# KiCad board owl-driver-board-16.kicad_pcb
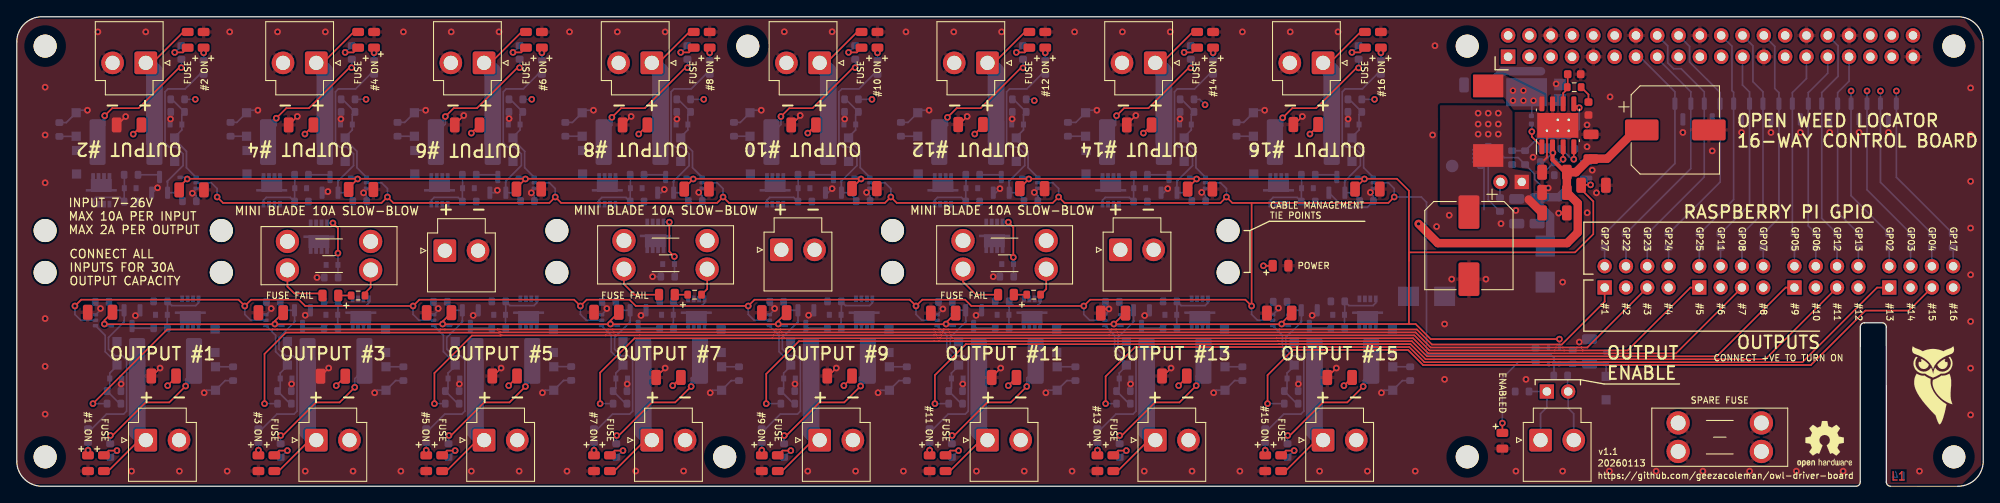
[diagram p0: board, top side]
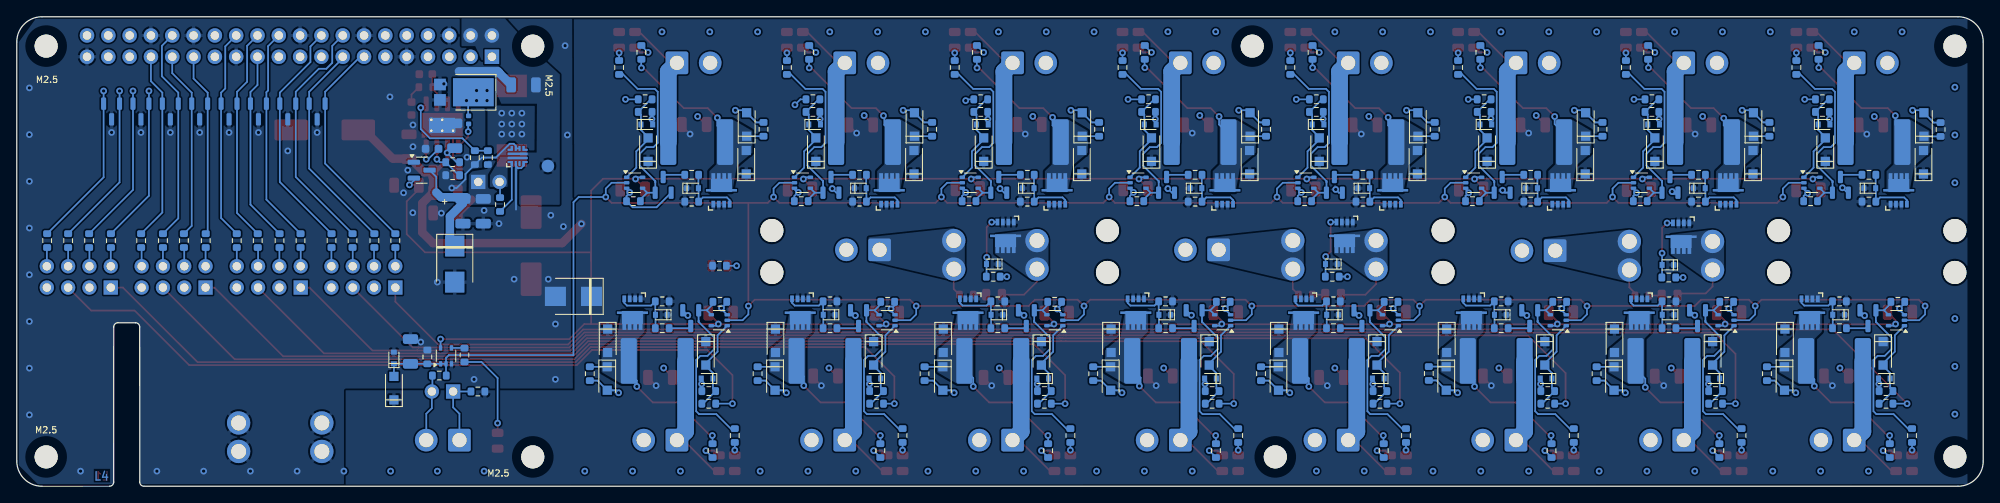
[diagram p1: board, bottom side, seen from below]

Outline 234.38 x 56 mm; copper layers: Top, In1.Cu, In2.Cu, Bottom. Coordinates in mm from the lower left corner of the outline.
Outline path: 0,53 0,3 arc(0.88,0.88) 3,0 219.23,0 arc(219.58,0.15) 219.73,0.5 219.73,19 arc(219.88,19.35) 220.23,19.5 222.33,19.5 arc(222.68,19.35) 222.83,19 222.83,0.5 arc(222.98,0.15) 223.33,0 231.38,0 arc(233.5,0.88) 234.38,3 234.38,53 arc(233.5,55.12) 231.38,56 3,56 arc(0.88,55.12) 0,53
Stack: Top 0.035mm / dielectric 0.1mm FR4 er 4.5 / In1.Cu 0.035mm / dielectric 1.24mm FR4 er 4.5 / In2.Cu 0.035mm / dielectric 0.1mm FR4 er 4.5 / Bottom 0.035mm

## Placement (name value [footprint] x y rotation side)
C1  10uF  [C_1206_3216Metric_nosilk]  157.68 12.98 180 top
C2  10uF  [C_1206_3216Metric_nosilk]  13.38 43.1 180 top
C3  10uF  [C_1206_3216Metric_nosilk]  117.68 12.98 180 top
C4  10uF  [C_1206_3216Metric_nosilk]  37.68 13.12 180 top
C5  10uF  [C_1206_3216Metric_nosilk]  187.63 40.5 90 top
C6  10uF  [C_1206_3216Metric_nosilk]  183.28 37.45 180 top
C7  10uF  [C_1206_3216Metric_nosilk]  33.88 43.1 180 top
C8  220uF 50V  [CP_Elec_10x10]  197.68 42.5 0 top
C9  10uF  [C_1206_3216Metric_nosilk]  181.2 32.8 270 bottom
C10  10uF  [C_1206_3216Metric_nosilk]  173.98 47.88 0 bottom
C11  10uF  [C_1206_3216Metric_nosilk]  53.68 43.1 180 top
C12  10uF  [C_1206_3216Metric_nosilk]  133.78 43.1 180 top
C13  220uF 50V  [CP_Elec_10x10]  173.08 28.7 270 top
C14  10uF  [C_1206_3216Metric_nosilk]  183.28 32.6 0 top
C15  10uF  [C_1206_3216Metric_nosilk]  77.68 12.98 180 top
C16  10uF  [C_1206_3216Metric_nosilk]  93.78 43.1 180 top
C17  100n  [C_0402_1005Metric_nosilk]  180.53 43.7 90 bottom
C18  10uF  [C_1206_3216Metric_nosilk]  183.28 35.05 180 top
C19  10uF  [C_1206_3216Metric_nosilk]  182.18 41.8 90 bottom
C20  10uF  [C_1206_3216Metric_nosilk]  178.78 32.8 270 bottom
C21  10uF  [C_1206_3216Metric_nosilk]  73.68 43.1 180 top
C22  10p  [C_0603_1608Metric_nosilk]  185.63 49.15 0 top
C23  2n  [C_0603_1608Metric_nosilk]  187.33 45.05 270 top
C24  10n  [C_0603_1608Metric_nosilk]  184.88 40.25 0 bottom
C25  10uF  [C_1206_3216Metric_nosilk]  187.45 16.08 90 bottom
C26  10uF  [C_1206_3216Metric_nosilk]  113.68 43.15 180 top
C27  10uF  [C_1206_3216Metric_nosilk]  153.63 43.15 180 top
C28  10uF  [C_1206_3216Metric_nosilk]  17.5 13.15 180 top
C29  10uF  [C_1206_3216Metric_nosilk]  9.93 20.75 180 top
C30  10uF  [C_1206_3216Metric_nosilk]  187.93 35.9 0 top
C31  10uF  [C_1206_3216Metric_nosilk]  20.83 35.35 0 top
C32  10uF  [C_1206_3216Metric_nosilk]  30.28 20.7 180 top
C33  10uF  [C_1206_3216Metric_nosilk]  41.03 35.4 0 top
C34  10uF  [C_1206_3216Metric_nosilk]  50.33 20.7 180 top
C35  10uF  [C_1206_3216Metric_nosilk]  61.03 35.45 0 top
C36  10uF  [C_1206_3216Metric_nosilk]  70.28 20.75 180 top
C37  10uF  [C_1206_3216Metric_nosilk]  81.03 35.45 0 top
C38  10uF  [C_1206_3216Metric_nosilk]  90.28 20.7 180 top
C39  10uF  [C_1206_3216Metric_nosilk]  101.03 35.5 0 top
C40  10uF  [C_1206_3216Metric_nosilk]  110.43 20.65 180 top
C41  10uF  [C_1206_3216Metric_nosilk]  121.03 35.5 0 top
C42  10uF  [C_1206_3216Metric_nosilk]  130.68 20.65 180 top
C43  10uF  [C_1206_3216Metric_nosilk]  141.03 35.45 0 top
C44  10uF  [C_1206_3216Metric_nosilk]  150.48 20.65 180 top
C45  10uF  [C_1206_3216Metric_nosilk]  160.98 35.45 0 top
C46  10uF  [C_1206_3216Metric_nosilk]  137.98 13.15 180 top
C47  10uF  [C_1206_3216Metric_nosilk]  98.08 13.15 180 top
C48  10uF  [C_1206_3216Metric_nosilk]  58.15 13.15 180 top
D1  KT-0805Y  [LED_0805_2012Metric]  37.38 22.75 0 top
D2  BZT585B13T-7 13V  [D_SOD-523_silkpolarity]  17.24 20.45 0 bottom
D3  BZT585B13T-7 13V  [D_SOD-523_silkpolarity]  13.52 35.55 180 bottom
D4  KT-0805Y  [LED_0805_2012Metric]  10.39 2.75 90 top
D5  KT-0805Y  [LED_0805_2012Metric]  20.37 53.25 270 top
D6  BZT52C5V1T  [D_SOD-523_silkpolarity]  37.58 26.4 0 bottom
D7  SMBJ26A  [D_SMB_silkpolarity]  168.03 22.65 0 bottom
D8  DSK34  [D_SOD-123F_silkpolarity]  23.64 17.35 270 bottom
D9  DSK34  [D_SOD-123F_silkpolarity]  7.12 38.65 90 bottom
D10  DSK34  [D_SOD-123F_silkpolarity]  23.69 12.85 270 bottom
D11  DSK34  [D_SOD-123F_silkpolarity]  7.07 43.15 90 bottom
D12  DSK34  [D_SOD-123F_silkpolarity]  11.94 15.85 270 bottom
D13  DSK34  [D_SOD-123F_silkpolarity]  18.82 40.15 90 bottom
D14  DSK34  [D_SOD-123F_silkpolarity]  32.25 15.85 270 bottom
D15  BZT585B13T-7 13V  [D_SOD-523_silkpolarity]  37.55 20.45 0 bottom
D16  SMBJ5.0A  [D_SMB_silkpolarity]  182.18 26.5 270 bottom
D17  DSK34  [D_SOD-123F_silkpolarity]  43.95 17.35 270 bottom
D18  DSK34  [D_SOD-123F_silkpolarity]  44 12.85 270 bottom
D19  KT-0805Y  [LED_0805_2012Metric]  30.7 2.75 90 top
D20  DSK34  [D_SOD-123F_silkpolarity]  39.14 40.15 90 bottom
D21  BZT585B13T-7 13V  [D_SOD-523_silkpolarity]  33.84 35.55 180 bottom
D22  DSK34  [D_SOD-123F_silkpolarity]  27.44 38.65 90 bottom
D23  DSK34  [D_SOD-123F_silkpolarity]  27.39 43.15 90 bottom
D24  KT-0805Y  [LED_0805_2012Metric]  40.69 53.25 270 top
D25  DSK34  [D_SOD-123F_silkpolarity]  52.25 15.85 270 bottom
D26  BZT585B13T-7 13V  [D_SOD-523_silkpolarity]  57.55 20.45 0 bottom
D27  DSK34  [D_SOD-123F_silkpolarity]  63.95 17.35 270 bottom
D28  DSK34  [D_SOD-123F_silkpolarity]  64 12.85 270 bottom
D29  KT-0805G  [LED_0805_2012Metric]  8.49 2.75 90 top
D30  KT-0805G  [LED_0805_2012Metric]  22.27 53.25 270 top
D31  KT-0805G  [LED_0805_2012Metric]  28.8 2.75 90 top
D32  KT-0805Y  [LED_0805_2012Metric]  77.49 22.85 0 top
D33  BZT52C5V1T  [D_SOD-523_silkpolarity]  77.69 26.5 0 bottom
D34  AZ23C3V3  [SOT-23_nosilk]  198.58 44.7 270 bottom
D35  AZ23C3V3  [SOT-23_nosilk]  202.08 44.7 270 bottom
D36  PDS1040L-13  [D_PowerDI-5]  181.08 47 0 bottom
D37  KT-0805G  [LED_0805_2012Metric]  42.59 53.25 270 top
D38  KT-0805G  [LED_0805_2012Metric]  150.63 26.3 180 top
D39  BZT52C5V1T  [D_SOD-523_silkpolarity]  189.43 15.3 90 bottom
D40  DSK34  [D_SOD-123F_silkpolarity]  189.43 11.7 90 bottom
D41  KT-0805G  [LED_0805_2012Metric]  177.07 5.43 90 top
D42  KT-0805G  [LED_0805_2012Metric]  48.8 2.75 90 top
D43  KT-0805Y  [LED_0805_2012Metric]  50.7 2.75 90 top
D44  DSK34  [D_SOD-123F_silkpolarity]  59.14 40.15 90 bottom
D45  BZT52C5V1T  [D_SOD-523_silkpolarity]  11.79 12.85 0 bottom
D46  BZT52C5V1T  [D_SOD-523_silkpolarity]  18.97 43.15 180 bottom
D47  BZT52C5V1T  [D_SOD-523_silkpolarity]  32.1 12.85 0 bottom
D48  BZT52C5V1T  [D_SOD-523_silkpolarity]  39.29 43.15 180 bottom
D49  BZT52C5V1T  [D_SOD-523_silkpolarity]  52.1 12.85 0 bottom
D50  BZT52C5V1T  [D_SOD-523_silkpolarity]  59.29 43.15 180 bottom
D51  KT-0805G  [LED_0805_2012Metric]  62.59 53.25 270 top
D52  BZT585B13T-7 13V  [D_SOD-523_silkpolarity]  53.84 35.55 180 bottom
D53  DSK34  [D_SOD-123F_silkpolarity]  47.44 38.65 90 bottom
D54  DSK34  [D_SOD-123F_silkpolarity]  47.39 43.15 90 bottom
D55  KT-0805Y  [LED_0805_2012Metric]  60.69 53.25 270 top
D56  DSK34  [D_SOD-123F_silkpolarity]  72.25 15.85 270 bottom
D57  BZT52C5V1T  [D_SOD-523_silkpolarity]  72.1 12.85 0 bottom
D58  KT-0805G  [LED_0805_2012Metric]  68.8 2.75 90 top
D59  BZT585B13T-7 13V  [D_SOD-523_silkpolarity]  77.55 20.45 0 bottom
D60  DSK34  [D_SOD-123F_silkpolarity]  83.95 17.35 270 bottom
D61  DSK34  [D_SOD-123F_silkpolarity]  84 12.85 270 bottom
D62  KT-0805Y  [LED_0805_2012Metric]  70.7 2.75 90 top
D63  DSK34  [D_SOD-123F_silkpolarity]  79.14 40.15 90 bottom
D64  BZT52C5V1T  [D_SOD-523_silkpolarity]  79.29 43.15 180 bottom
D65  KT-0805G  [LED_0805_2012Metric]  82.59 53.25 270 top
D66  BZT585B13T-7 13V  [D_SOD-523_silkpolarity]  73.84 35.55 180 bottom
D67  DSK34  [D_SOD-123F_silkpolarity]  67.44 38.65 90 bottom
D68  DSK34  [D_SOD-123F_silkpolarity]  67.39 43.15 90 bottom
D69  KT-0805Y  [LED_0805_2012Metric]  80.69 53.25 270 top
D70  DSK34  [D_SOD-123F_silkpolarity]  92.25 15.85 270 bottom
D71  BZT52C5V1T  [D_SOD-523_silkpolarity]  92.1 12.85 0 bottom
D72  KT-0805G  [LED_0805_2012Metric]  88.8 2.75 90 top
D73  BZT585B13T-7 13V  [D_SOD-523_silkpolarity]  97.55 20.45 0 bottom
D74  DSK34  [D_SOD-123F_silkpolarity]  103.95 17.35 270 bottom
D75  DSK34  [D_SOD-123F_silkpolarity]  104 12.85 270 bottom
D76  KT-0805Y  [LED_0805_2012Metric]  90.7 2.75 90 top
D77  DSK34  [D_SOD-123F_silkpolarity]  99.14 40.15 90 bottom
D78  BZT52C5V1T  [D_SOD-523_silkpolarity]  99.29 43.15 180 bottom
D79  KT-0805G  [LED_0805_2012Metric]  102.59 53.25 270 top
D80  BZT585B13T-7 13V  [D_SOD-523_silkpolarity]  93.84 35.55 180 bottom
D81  DSK34  [D_SOD-123F_silkpolarity]  87.44 38.65 90 bottom
D82  DSK34  [D_SOD-123F_silkpolarity]  87.39 43.15 90 bottom
D83  KT-0805Y  [LED_0805_2012Metric]  100.69 53.25 270 top
D84  DSK34  [D_SOD-123F_silkpolarity]  112.25 15.85 270 bottom
D85  BZT52C5V1T  [D_SOD-523_silkpolarity]  112.1 12.85 0 bottom
D86  KT-0805G  [LED_0805_2012Metric]  108.8 2.75 90 top
D87  BZT585B13T-7 13V  [D_SOD-523_silkpolarity]  117.55 20.45 0 bottom
D88  DSK34  [D_SOD-123F_silkpolarity]  123.95 17.35 270 bottom
D89  DSK34  [D_SOD-123F_silkpolarity]  124 12.85 270 bottom
D90  KT-0805Y  [LED_0805_2012Metric]  110.7 2.75 90 top
D91  DSK34  [D_SOD-123F_silkpolarity]  119.14 40.15 90 bottom
D92  BZT52C5V1T  [D_SOD-523_silkpolarity]  119.29 43.15 180 bottom
D93  KT-0805G  [LED_0805_2012Metric]  122.59 53.25 270 top
D94  BZT585B13T-7 13V  [D_SOD-523_silkpolarity]  113.84 35.55 180 bottom
D95  DSK34  [D_SOD-123F_silkpolarity]  107.44 38.65 90 bottom
D96  DSK34  [D_SOD-123F_silkpolarity]  107.39 43.15 90 bottom
D97  KT-0805Y  [LED_0805_2012Metric]  120.69 53.25 270 top
D98  DSK34  [D_SOD-123F_silkpolarity]  132.25 15.85 270 bottom
D99  BZT52C5V1T  [D_SOD-523_silkpolarity]  132.1 12.85 0 bottom
D100  KT-0805G  [LED_0805_2012Metric]  128.8 2.75 90 top
D101  BZT585B13T-7 13V  [D_SOD-523_silkpolarity]  137.55 20.45 0 bottom
D102  DSK34  [D_SOD-123F_silkpolarity]  143.95 17.35 270 bottom
D103  DSK34  [D_SOD-123F_silkpolarity]  144 12.85 270 bottom
D104  KT-0805Y  [LED_0805_2012Metric]  130.7 2.75 90 top
D105  DSK34  [D_SOD-123F_silkpolarity]  139.14 40.15 90 bottom
D106  BZT52C5V1T  [D_SOD-523_silkpolarity]  139.29 43.15 180 bottom
D107  KT-0805G  [LED_0805_2012Metric]  142.59 53.25 270 top
D108  BZT585B13T-7 13V  [D_SOD-523_silkpolarity]  133.84 35.55 180 bottom
D109  DSK34  [D_SOD-123F_silkpolarity]  127.44 38.65 90 bottom
D110  DSK34  [D_SOD-123F_silkpolarity]  127.39 43.15 90 bottom
D111  KT-0805Y  [LED_0805_2012Metric]  140.69 53.25 270 top
D112  DSK34  [D_SOD-123F_silkpolarity]  152.25 15.85 270 bottom
D113  BZT52C5V1T  [D_SOD-523_silkpolarity]  152.1 12.85 0 bottom
D114  KT-0805G  [LED_0805_2012Metric]  148.8 2.75 90 top
D115  BZT585B13T-7 13V  [D_SOD-523_silkpolarity]  157.55 20.45 0 bottom
D116  DSK34  [D_SOD-123F_silkpolarity]  163.95 17.35 270 bottom
D117  DSK34  [D_SOD-123F_silkpolarity]  164 12.85 270 bottom
D118  KT-0805Y  [LED_0805_2012Metric]  150.7 2.75 90 top
D119  DSK34  [D_SOD-123F_silkpolarity]  159.14 40.15 90 bottom
D120  BZT52C5V1T  [D_SOD-523_silkpolarity]  159.29 43.15 180 bottom
D121  KT-0805G  [LED_0805_2012Metric]  162.59 53.25 270 top
D122  BZT585B13T-7 13V  [D_SOD-523_silkpolarity]  153.84 35.55 180 bottom
D123  DSK34  [D_SOD-123F_silkpolarity]  147.44 38.65 90 bottom
D124  DSK34  [D_SOD-123F_silkpolarity]  147.39 43.15 90 bottom
D125  KT-0805Y  [LED_0805_2012Metric]  160.69 53.25 270 top
D126  AZ23C3V3  [SOT-23_nosilk]  205.58 44.7 270 bottom
D127  AZ23C3V3  [SOT-23_nosilk]  209.08 44.7 270 bottom
D128  AZ23C3V3  [SOT-23_nosilk]  219.58 44.7 270 bottom
D129  AZ23C3V3  [SOT-23_nosilk]  223.08 44.7 270 bottom
D130  AZ23C3V3  [SOT-23_nosilk]  216.08 44.7 270 bottom
D131  AZ23C3V3  [SOT-23_nosilk]  212.58 44.7 270 bottom
D132  KT-0805Y  [LED_0805_2012Metric]  117.9 22.85 0 top
D133  BZT52C5V1T  [D_SOD-523_silkpolarity]  118.1 26.5 0 bottom
F1  XF-508P-B-B  [Fuseholder_Blade_Mini_Keystone_3568]  42.18 25.8 180 top
F2  2920L200DR  [Fuse_2920_7451Metric_nosilk]  17.74 14.95 180 bottom
F3  2920L200DR  [Fuse_2920_7451Metric_nosilk]  13.02 41.05 0 bottom
F4  2920L200DR  [Fuse_2920_7451Metric_nosilk]  38.05 14.95 180 bottom
F5  2920L200DR  [Fuse_2920_7451Metric_nosilk]  33.34 41.05 0 bottom
F6  2920L200DR  [Fuse_2920_7451Metric_nosilk]  58.05 14.95 180 bottom
F7  2920L200DR  [Fuse_2920_7451Metric_nosilk]  53.34 41.05 0 bottom
F8  2920L200DR  [Fuse_2920_7451Metric_nosilk]  78.05 14.95 180 bottom
F9  2920L200DR  [Fuse_2920_7451Metric_nosilk]  73.34 41.05 0 bottom
F10  2920L200DR  [Fuse_2920_7451Metric_nosilk]  98.05 14.95 180 bottom
F11  2920L200DR  [Fuse_2920_7451Metric_nosilk]  93.34 41.05 0 bottom
F12  2920L200DR  [Fuse_2920_7451Metric_nosilk]  118.05 14.95 180 bottom
F13  2920L200DR  [Fuse_2920_7451Metric_nosilk]  113.34 41.05 0 bottom
F14  2920L200DR  [Fuse_2920_7451Metric_nosilk]  138.05 14.95 180 bottom
F15  2920L200DR  [Fuse_2920_7451Metric_nosilk]  133.34 41.05 0 bottom
F16  2920L200DR  [Fuse_2920_7451Metric_nosilk]  158.05 14.95 180 bottom
F17  2920L200DR  [Fuse_2920_7451Metric_nosilk]  153.34 41.05 0 bottom
F18  XF-508P-B-B  [Fuseholder_Blade_Mini_Keystone_3568]  82.29 25.9 180 top
F19  XF-508P-B-B  [Fuseholder_Blade_Mini_Keystone_3568]  122.7 25.9 180 top
F20  XF-508P-B-B  [Fuseholder_Blade_Mini_Keystone_3568]  198.02 7.55 0 top
J2  RASPBERRYPI-40-PIN-GPIO  [Pin_Header_Straight_2x20]  201.88 52.5 90 top
J3  1890963  [JST_VH_B2P-VH_1x02_P3.96mm_Vertical]  51.02 28.1 0 top
J4  1890963  [JST_VH_B2P-VH_1x02_P3.96mm_Vertical]  15.38 5.5 0 top
J5  1890963  [JST_VH_B2P-VH_1x02_P3.96mm_Vertical]  15.38 50.5 180 top
J6  CONN_04X2  [Connector_PinHeader_2x04_P2.54mm_Vertical_nosilk]  189.26 23.7 90 top
J7  1890963  [JST_VH_B2P-VH_1x02_P3.96mm_Vertical]  35.69 5.5 0 top
J8  1890963  [JST_VH_B2P-VH_1x02_P3.96mm_Vertical]  35.69 50.5 180 top
J9  PI 5V  [PinHeader_1x02_P2.54mm_Vertical_nosilk]  179.38 36.3 270 top
J10  1890963  [JST_VH_B2P-VH_1x02_P3.96mm_Vertical]  181.62 5.5 0 top
J11  ENABLE  [PinHeader_1x02_P2.54mm_Vertical_nosilk]  182.37 11.3 90 top
J12  1890963  [JST_VH_B2P-VH_1x02_P3.96mm_Vertical]  55.69 5.5 0 top
J13  1890963  [JST_VH_B2P-VH_1x02_P3.96mm_Vertical]  55.69 50.5 180 top
J14  1890963  [JST_VH_B2P-VH_1x02_P3.96mm_Vertical]  75.69 5.5 0 top
J15  1890963  [JST_VH_B2P-VH_1x02_P3.96mm_Vertical]  75.69 50.5 180 top
J16  1890963  [JST_VH_B2P-VH_1x02_P3.96mm_Vertical]  95.69 5.5 0 top
J17  1890963  [JST_VH_B2P-VH_1x02_P3.96mm_Vertical]  95.69 50.5 180 top
J18  1890963  [JST_VH_B2P-VH_1x02_P3.96mm_Vertical]  115.69 5.5 0 top
J19  1890963  [JST_VH_B2P-VH_1x02_P3.96mm_Vertical]  115.69 50.5 180 top
J20  1890963  [JST_VH_B2P-VH_1x02_P3.96mm_Vertical]  135.69 5.5 0 top
J21  1890963  [JST_VH_B2P-VH_1x02_P3.96mm_Vertical]  135.69 50.5 180 top
J22  1890963  [JST_VH_B2P-VH_1x02_P3.96mm_Vertical]  155.69 5.5 0 top
J23  1890963  [JST_VH_B2P-VH_1x02_P3.96mm_Vertical]  155.69 50.5 180 top
J24  1890963  [JST_VH_B2P-VH_1x02_P3.96mm_Vertical]  91.13 28.2 0 top
J25  CONN_04X2  [Connector_PinHeader_2x04_P2.54mm_Vertical_nosilk]  200.54 23.7 90 top
J26  1890963  [JST_VH_B2P-VH_1x02_P3.96mm_Vertical]  131.54 28.2 0 top
J27  CONN_04X2  [Connector_PinHeader_2x04_P2.54mm_Vertical_nosilk]  211.88 23.7 90 top
J29  CONN_04X2  [Connector_PinHeader_2x04_P2.54mm_Vertical_nosilk]  223.18 23.7 90 top
L1  10uH  [L_10.4x10.4_H4.8]  175.38 43.6 270 top
LOGO1  -  [OSHW-Logo2_7.3x6mm_SilkScreen]  215.48 5.03 0 top
NPTH1  -  [RPi_Hat_Mounting_Hole]  87.13 52.5 0 top
NPTH2  -  [RPi_Hat_Mounting_Hole]  3.38 52.5 0 top
NPTH3  -  [RPi_Hat_Mounting_Hole]  3.38 3.5 0 top
NPTH4  -  [RPi_Hat_Mounting_Hole]  84.38 3.5 0 top
NPTH5  -  [RPi_Hat_Mounting_Hole]  3.38 30.5 0 top
NPTH6  -  [RPi_Hat_Mounting_Hole]  3.38 25.5 0 top
NPTH7  -  [RPi_Hat_Mounting_Hole]  24.38 30.5 0 top
NPTH8  -  [RPi_Hat_Mounting_Hole]  24.38 25.5 0 top
NPTH9  -  [RPi_Hat_Mounting_Hole]  64.38 30.5 0 top
NPTH10  -  [RPi_Hat_Mounting_Hole]  64.38 25.5 0 top
NPTH11  -  [RPi_Hat_Mounting_Hole]  104.38 30.5 0 top
NPTH12  -  [RPi_Hat_Mounting_Hole]  104.38 25.5 0 top
NPTH13  -  [RPi_Hat_Mounting_Hole]  144.38 30.5 0 top
NPTH14  -  [RPi_Hat_Mounting_Hole]  144.38 25.5 0 top
PI1  -  [RPi_Hat_Mounting_Hole]  230.88 52.5 0 top
PI2  -  [RPi_Hat_Mounting_Hole]  230.88 3.5 0 top
PI3  -  [RPi_Hat_Mounting_Hole]  172.88 52.5 0 top
PI4  -  [RPi_Hat_Mounting_Hole]  172.88 3.5 0 top
Q1  AGM60P85AP  [PDFN-8-3.3x3.3]  33.15 27.66 180 bottom
Q2  AGM60P85AP  [PDFN-8-3.3x3.3]  17.84 18.6 180 bottom
Q3  AGM60P85AP  [PDFN-8-3.3x3.3]  12.92 37.4 0 bottom
Q4  2N7002  [SOT-23_nosilk]  13.74 20.05 270 bottom
Q5  2N7002  [SOT-23_nosilk]  17.02 35.95 90 bottom
Q6  2N7002  [SOT-23_nosilk]  34.05 20.05 270 bottom
Q7  AGM60P85AP  [PDFN-8-3.3x3.3]  38.15 18.6 180 bottom
Q8  2N7002  [SOT-23_nosilk]  37.34 35.95 90 bottom
Q9  AGM60P85AP  [PDFN-8-3.3x3.3]  33.24 37.4 0 bottom
Q10  2N7002  [SOT-23_nosilk]  54.05 20.05 270 bottom
Q11  AGM60P85AP  [PDFN-8-3.3x3.3]  58.15 18.6 180 bottom
Q12  2N7002  [SOT-23_nosilk]  57.34 35.95 90 bottom
Q13  AGM60P85AP  [PDFN-8-3.3x3.3]  53.24 37.4 0 bottom
Q14  2N7002  [SOT-23_nosilk]  74.05 20.05 270 bottom
Q15  AGM60P85AP  [PDFN-8-3.3x3.3]  78.15 18.6 180 bottom
Q16  2N7002  [SOT-23_nosilk]  77.34 35.95 90 bottom
Q17  AGM60P85AP  [PDFN-8-3.3x3.3]  73.24 37.4 0 bottom
Q18  2N7002  [SOT-23_nosilk]  94.05 20.05 270 bottom
Q19  AGM60P85AP  [PDFN-8-3.3x3.3]  98.15 18.6 180 bottom
Q20  2N7002  [SOT-23_nosilk]  97.34 35.95 90 bottom
Q21  AGM60P85AP  [PDFN-8-3.3x3.3]  93.24 37.4 0 bottom
Q22  2N7002  [SOT-23_nosilk]  114.05 20.05 270 bottom
Q23  AGM60P85AP  [PDFN-8-3.3x3.3]  118.15 18.6 180 bottom
Q24  2N7002  [SOT-23_nosilk]  117.34 35.95 90 bottom
Q25  AGM60P85AP  [PDFN-8-3.3x3.3]  113.24 37.4 0 bottom
Q26  2N7002  [SOT-23_nosilk]  134.05 20.05 270 bottom
Q27  AGM60P85AP  [PDFN-8-3.3x3.3]  138.15 18.6 180 bottom
Q28  2N7002  [SOT-23_nosilk]  137.34 35.95 90 bottom
Q29  AGM60P85AP  [PDFN-8-3.3x3.3]  133.24 37.4 0 bottom
Q30  2N7002  [SOT-23_nosilk]  154.05 20.05 270 bottom
Q31  AGM60P85AP  [PDFN-8-3.3x3.3]  158.15 18.6 180 bottom
Q32  2N7002  [SOT-23_nosilk]  157.34 35.95 90 bottom
Q33  AGM60P85AP  [PDFN-8-3.3x3.3]  153.24 37.4 0 bottom
Q34  AGM60P85AP  [PDFN-8-3.3x3.3]  73.26 27.76 180 bottom
Q35  AGM60P85AP  [PDFN-8-3.3x3.3]  113.67 27.76 180 bottom
R1  1k  [R_0603_1608Metric]  40.68 22.75 0 top
R2  1k  [R_0603_1608Metric]  17.14 22.05 180 bottom
R3  1k  [R_0603_1608Metric]  13.62 33.95 0 bottom
R4  1k  [R_0603_1608Metric]  11.14 4.25 90 bottom
R5  1k  [R_0603_1608Metric]  19.62 51.75 270 bottom
R6  470  [R_0603_1608Metric]  17.14 18.85 0 bottom
R7  470  [R_0603_1608Metric]  13.62 37.15 180 bottom
R8  10k  [R_0603_1608Metric]  37.48 24.9 0 bottom
R9  1k  [R_0603_1608Metric]  11.59 9.85 180 bottom
R10  1k  [R_0603_1608Metric]  19.17 46.15 0 bottom
R11  10k  [R_0603_1608Metric]  10.18 22 0 bottom
R12  10k  [R_0603_1608Metric]  20.58 34 180 bottom
R13  1k  [R_0603_1608Metric]  31.9 9.85 180 bottom
R14  10k  [R_0603_1608Metric]  30.58 22 0 bottom
R15  1k  [R_0603_1608Metric]  37.45 22.05 180 bottom
R16  470  [R_0603_1608Metric]  37.45 18.85 0 bottom
R17  1k  [R_0603_1608Metric]  31.45 4.25 90 bottom
R18  1k  [R_0603_1608Metric]  39.49 46.15 0 bottom
R19  10k  [R_0603_1608Metric]  40.88 34 180 bottom
R20  1k  [R_0603_1608Metric]  33.94 33.95 0 bottom
R21  470  [R_0603_1608Metric]  33.94 37.15 180 bottom
R22  1k  [R_0603_1608Metric]  39.94 51.75 270 bottom
R23  1k  [R_0603_1608Metric]  150.63 26.3 0 bottom
R24  1k  [R_0603_1608Metric]  80.79 22.85 0 top
R25  10k  [R_0603_1608Metric]  77.59 25 0 bottom
R26  1k  [R_0603_1608Metric]  121.2 22.85 0 top
R27  10k  [R_0603_1608Metric]  118 25 0 bottom
R29  470  [R_0603_1608Metric]  191.76 29.3 270 bottom
R30  470  [R_0603_1608Metric]  194.36 29.3 270 bottom
R31  470  [R_0603_1608Metric]  196.86 29.3 270 bottom
R32  470  [R_0603_1608Metric]  208.16 29.3 270 bottom
R33  470  [R_0603_1608Metric]  205.66 29.3 270 bottom
R34  470  [R_0603_1608Metric]  203.06 29.3 270 bottom
R35  470  [R_0603_1608Metric]  230.76 29.3 270 bottom
R36  470  [R_0603_1608Metric]  228.26 29.3 270 bottom
R37  470  [R_0603_1608Metric]  225.76 29.3 270 bottom
R38  470  [R_0603_1608Metric]  189.26 29.3 270 bottom
R39  470  [R_0603_1608Metric]  200.56 29.3 270 bottom
R40  470  [R_0603_1608Metric]  223.16 29.3 270 bottom
R41  165k  [R_0603_1608Metric]  182.43 38.65 180 bottom
R42  10.2k  [R_0603_1608Metric]  178.23 39.2 270 bottom
R43  43k  [R_0603_1608Metric]  182.43 37.1 180 bottom
R44  14k  [R_0603_1608Metric]  185.63 47.6 0 top
R45  1.87k  [R_0603_1608Metric]  179.78 39.2 90 bottom
R46  360k  [R_0603_1608Metric]  176.78 33.6 90 bottom
R47  10k  [R_0603_1608Metric]  185.44 15.43 90 bottom
R48  1k  [R_0603_1608Metric]  179.42 11.3 0 bottom
R49  1k  [R_0603_1608Metric]  184.02 13.2 180 bottom
R50  1k  [R_0603_1608Metric]  51.9 9.85 180 bottom
R51  10k  [R_0603_1608Metric]  50.48 22 0 bottom
R52  1k  [R_0603_1608Metric]  57.45 22.05 180 bottom
R53  10k  [R_0603_1608Metric]  11.59 11.35 180 bottom
R54  10k  [R_0603_1608Metric]  19.17 44.65 0 bottom
R55  470  [R_0603_1608Metric]  181.02 15.65 90 bottom
R56  10k  [R_0603_1608Metric]  31.9 11.35 180 bottom
R57  10k  [R_0603_1608Metric]  39.49 44.65 0 bottom
R58  470  [R_0603_1608Metric]  8.49 6.05 90 bottom
R59  470  [R_0603_1608Metric]  22.27 49.95 270 bottom
R60  470  [R_0603_1608Metric]  28.8 6.05 90 bottom
R61  470  [R_0603_1608Metric]  42.59 49.95 270 bottom
R62  10k  [R_0603_1608Metric]  51.9 11.35 180 bottom
R63  470  [R_0603_1608Metric]  48.8 6.05 90 bottom
R64  470  [R_0603_1608Metric]  57.45 18.85 0 bottom
R65  1k  [R_0603_1608Metric]  51.45 4.25 90 bottom
R66  1k  [R_0603_1608Metric]  59.49 46.15 0 bottom
R67  10k  [R_0603_1608Metric]  59.49 44.65 0 bottom
R68  470  [R_0603_1608Metric]  62.59 49.95 270 bottom
R69  10k  [R_0603_1608Metric]  60.88 34 180 bottom
R70  1k  [R_0603_1608Metric]  53.94 33.95 0 bottom
R71  470  [R_0603_1608Metric]  53.94 37.15 180 bottom
R72  1k  [R_0603_1608Metric]  59.94 51.75 270 bottom
R73  1k  [R_0603_1608Metric]  71.9 9.85 180 bottom
R74  10k  [R_0603_1608Metric]  71.9 11.35 180 bottom
R75  470  [R_0603_1608Metric]  68.8 6.05 90 bottom
R76  10k  [R_0603_1608Metric]  70.58 22 0 bottom
R77  1k  [R_0603_1608Metric]  77.45 22.05 180 bottom
R78  470  [R_0603_1608Metric]  77.45 18.85 0 bottom
R79  1k  [R_0603_1608Metric]  71.45 4.25 90 bottom
R80  1k  [R_0603_1608Metric]  79.49 46.15 0 bottom
R81  10k  [R_0603_1608Metric]  79.49 44.65 0 bottom
R82  470  [R_0603_1608Metric]  82.59 49.95 270 bottom
R83  10k  [R_0603_1608Metric]  80.88 34 180 bottom
R84  1k  [R_0603_1608Metric]  73.94 33.95 0 bottom
R85  470  [R_0603_1608Metric]  73.94 37.15 180 bottom
R86  1k  [R_0603_1608Metric]  79.94 51.75 270 bottom
R87  1k  [R_0603_1608Metric]  91.9 9.85 180 bottom
R88  10k  [R_0603_1608Metric]  91.9 11.35 180 bottom
R89  470  [R_0603_1608Metric]  88.8 6.05 90 bottom
R90  10k  [R_0603_1608Metric]  90.58 22 0 bottom
R91  1k  [R_0603_1608Metric]  97.45 22.05 180 bottom
R92  470  [R_0603_1608Metric]  97.45 18.85 0 bottom
R93  1k  [R_0603_1608Metric]  91.45 4.25 90 bottom
R94  1k  [R_0603_1608Metric]  99.49 46.15 0 bottom
R95  10k  [R_0603_1608Metric]  99.49 44.65 0 bottom
R96  470  [R_0603_1608Metric]  102.59 49.95 270 bottom
R97  10k  [R_0603_1608Metric]  100.88 34 180 bottom
R98  1k  [R_0603_1608Metric]  93.94 33.95 0 bottom
R99  470  [R_0603_1608Metric]  93.94 37.15 180 bottom
R100  1k  [R_0603_1608Metric]  99.94 51.75 270 bottom